# Altium PCB Terra.PcbDoc (part 5 of 7)
Units mm, origin at the board's own origin, x right, y up, seen from the top; angles counter-clockwise.
Board outline 126 x 65 mm, 6 copper layers (Top Layer, Int1 (Sign), Int2 (GND), Int3(PWR), Int4(Sign), Bottom Layer), stack 2.348 mm thick; 559 components, 490 nets, 2466 pads, 1027 vias.
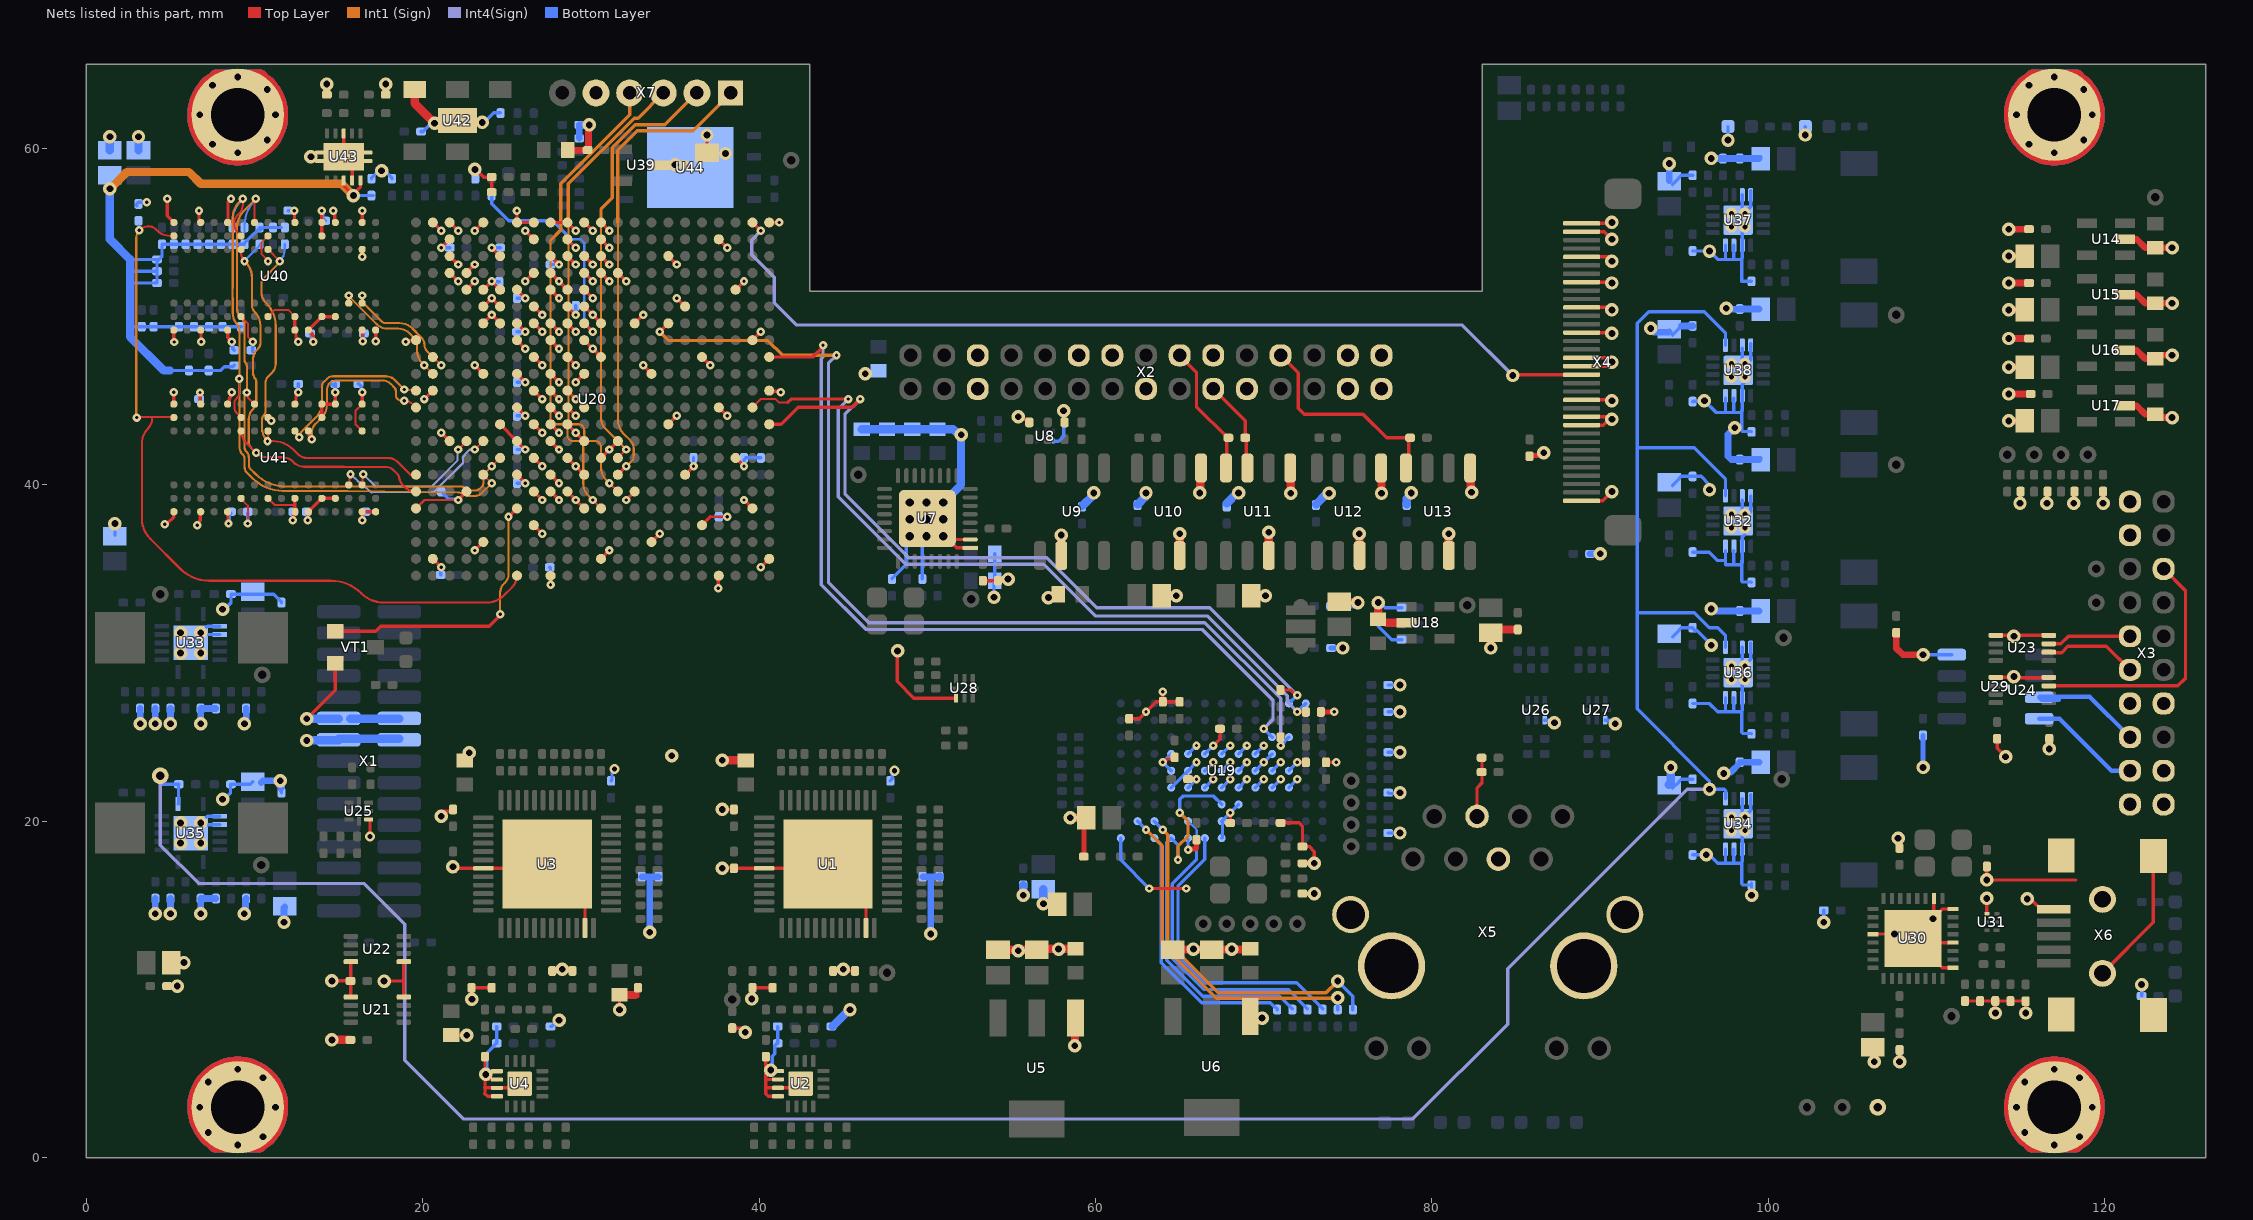
[diagram p9: the nets of this part, all layers, seen from the top]

## Via types
v1: diameter 0.5/0.5/0.5/0.5/0.5/0.5 (per signal layer), hole 0.2, Top Layer to Bottom Layer, tented both sides, 471 vias
v2: diameter 0.8, hole 0.4, Top Layer to Bottom Layer, tented both sides, 402 vias
v3: diameter 0.5/0.5/0.5/0.3/0.5/0.5 (per signal layer), hole 0.2, Top Layer to Bottom Layer, tented both sides, 87 vias
v4: diameter 0.9, hole 0.4, Top Layer to Bottom Layer, 32 vias
v5: diameter 0.6, hole 0.3, Top Layer to Bottom Layer, tented both sides, 26 vias
v6: diameter 0.6/0.6/0.6/0.6/0.6/0.6 (per signal layer), hole 0.3, Top Layer to Bottom Layer, tented both sides, 3 vias
v7: diameter 0.5/0.3/0.5/0.5/0.5/0.5 (per signal layer), hole 0.2, Top Layer to Bottom Layer, tented both sides, 3 vias
v8: diameter 0.8/0.8/0.8/0.5/0.8/0.8 (per signal layer), hole 0.4, Top Layer to Bottom Layer, tented both sides, 2 vias
v9: diameter 0.8/0.8/0.8/0.8/0.8/0.8 (per signal layer), hole 0.4, Top Layer to Bottom Layer, tented both sides, 1 vias

## Nets (pads, with @x,y where several pads share a name; then routed paths per layer and width w, separated by ;. In a path a pad name is that pad's centre, name@x,y a point inside that pad or via, vN(x,y) a via of type N, cw(c..) or ccw(c..) an arc to the next point about the centre after c; other vN are vias at no path point) (continued)
DDR3_DQS1_N: U20.J2 U40.B7 | length 7.9
  Top Layer w0.125: U40.B7@16.4,50.8 v1(16.4,51.257) ; U20.J2@20.6,47.6 v1(21.1,47.1)
  Int1 (Sign) w0.125: v1(16.4,51.257) ccw(c17.325,51.257) 16.671,50.604 ; 16.671,50.603 17.534,49.74 ccw(c17.847,50.053) 17.535,49.739 ccw(c17.847,50.053) 17.847,49.61 18.625,49.61 cw(c18.625,48.525) 19.392,49.292 19.899,48.785 ; 19.899,48.785 cw(c19.414,48.3) 20.1,48.3 ccw(c20.583,48.3) 20.241,47.959 v1(21.1,47.1)
DDR3_DQS1_P: U20.K2 U40.C7 | length 8.6
  Top Layer w0.125: U40.C7@15.6,50.8 v1(15.6,51.257) ; v1(20.1,47.1) U20.K2@20.6,46.6 v1(20.1,47.1)
  Int1 (Sign) w0.125: v1(15.6,51.257) 15.6,51.215 17.268,49.547 ccw(c17.9,50.179) 17.9,49.285 18.554,49.285 cw(c18.554,48.354) 19.212,49.013 ; 19.212,49.012 19.469,48.756 cw(c19.013,48.3) 19.657,48.3 19.657,48 ccw(c20.762,48) v1@19.981,47.219 ; v1@19.981,47.219 v1(20.1,47.1)
DDR3_DQS2_N: U20.L1 U41.G3 | length 10.2
  Top Layer w0.125: U41.G3@12.4,43.2 12.4,43.143 12.656,42.887 v1(12.656,42.827) ; v1(18.9,45.67) 18.935,45.635 19.565,45.635 U20.L1@19.6,45.6
  Int1 (Sign) w0.125: v1(12.656,42.827) cw(c13.115,42.827) 12.79,43.151 13.67,44.03 ccw(c12.872,44.828) 14,44.828 14,45.859 cw(c14.341,45.859) 14.1,46.1 14.314,46.314 cw(c14.655,45.972) 14.655,46.455 17.8,46.455 cw(c17.8,45.695) 17.945,46.441 cw(c17.8,45.695) 18.338,46.232 v1(18.9,45.67)
DDR3_DQS2_P: U20.M1 U41.F3 | length 10.4
  Top Layer w0.125: U41.F3@13.2,43.2 13.2,42.9 v1(13.4,42.7) ; v1(18.9,45) 18.934,44.966 19,44.966 cw(c19,44.4) U20.M1@19.4,44.8 ; U20.M1@19.4,44.8 U20.M1@19.6,44.6
  Int1 (Sign) w0.125: v1(13.4,42.7) 13.4,43.117 cw(c14.083,43.117) 13.6,43.6 14,44 ccw(c13.276,44.724) 14.3,44.724 14.3,45.604 cw(c14.996,45.604) 14.474,46.064 ; 14.4,46 cw(c14.883,45.517) 14.474,46.064 ; v1(18.9,45) 18.742,45 cw(c18.742,45.342) 18.5,45.1 cw(c18.741,45.341) 18.4,45.341 18.4,45.574 ccw(c18.096,45.574) 18.311,45.789 18.1,46 ccw(c17.617,45.517) 17.617,46.2 14.883,46.2 ccw(c14.883,45.517) 14.774,46.191 ccw(c14.883,45.517) 14.474,46.064
DDR3_DQS3_N: U20.P4 U41.B7 | length 8.6
  Top Layer w0.125: U41.B7@16.4,40.003 16.42,40.023 16.42,40.573 v1(16.47,40.622) ; v1(22.1,42.1) U20.P4@22.6,42.6
  Int4(Sign) w0.125: v1(16.47,40.622) 16.499,40.601 17.2,39.9 20.526,39.9 22.077,41.452 22.077,42.078 v1(22.1,42.1)
DDR3_DQS3_P: U20.P5 U41.C7 | length 10.4
  Top Layer w0.125: U41.C7@15.6,40.003 15.65,40.053 15.65,40.569 v1(15.703,40.622) ; v1(23.1,42.1) U20.P5@23.6,42.6
  Int4(Sign) w0.125: v1(15.703,40.622) 16.129,40.24 ccw(c16.47,40.622) 16.141,40.23 16.91,39.584 ccw(c16.99,39.681) 16.99,39.556 20.528,39.575 ccw(c20.526,39.9) 20.755,39.669 22.365,41.265 ccw(c22.277,41.354) 22.403,41.354 22.403,41.686 ccw(c22.1,42.1) 22.544,41.844 22.8,42.1 v1(23.1,42.1)
DDR3_ODT: R200.1 U20.R6 U40.K1 U41.K1 | length 37.4
  Top Layer w0.125: v1(24.1,41.1) U20.R6@24.6,41.6
  Top Layer w0.13: v1(9.545,45.487) 9.616,45.417 9.616,45.184 U41.K1@10,44.8 ; U40.K1@10,55.6 v1@10,57
  Int1 (Sign) w0.125: 9.665,41.5 ccw(c9.787,41.475) 9.662,41.475 9.662,41.2 ccw(c10.055,41.2) 9.687,41.065 ccw(c10.055,41.2) 9.777,40.923 10.056,40.644 ccw(c11.852,42.44) 11.835,39.9 15.537,39.9 cw(c15.537,39.643) 15.541,39.9 cw(c15.537,39.643) 15.543,39.9 15.7,39.9 22.259,39.9 cw(c22.259,39.559) 22.5,39.8 ccw(c22.844,40.144) 22.729,39.671 ccw(c22.844,40.144) 22.844,39.657 23,39.657 cw(c23.032,39.537) 23.047,39.661 ccw(c23.1,40.1) 23.1,39.657 ccw(c23.1,40.1) 23.412,39.787 23.513,39.887 ccw(c23.303,40.097) 23.6,40.097 23.6,40.4 cw(c24.083,40.4) 23.74,40.74 23.742,40.742 v1(24.1,41.1)
  Int1 (Sign) w0.13: v1@9.395,45.337 9.395,42.253 ccw(c9.753,42.253) 9.4,42.194 ccw(c9.753,42.253) 9.5,42 cw(c9.108,41.608) 9.653,41.708 cw(c9.108,41.608) 9.662,41.608 ccw(c9.792,41.608) 9.663,41.598 cw(c9.047,41.547) 9.665,41.547 9.665,41.5 ; 9.432,47.29 cw(c9.827,47.452) 9.4,47.452 9.4,49.559 ccw(c9.059,49.559) 9.301,49.799 9.214,49.886 cw(c9.829,50.5) 8.96,50.5 8.96,51.216 8.951,51.224 8.951,51.593 8.96,51.602 8.96,55.3 cw(c10.362,55.3) 9.238,56.138 cw(c10.362,55.3) 9.371,56.291 v1(10.079,57) ; 9.45,47.275 cw(c9.221,47.046) 9.545,47.046 v1(9.545,45.487)
  Bottom Layer w0.13: 9.4,55 R200.1@9.4,55.3 9.4,55.36 cw(c11.719,55.36) v1(10.079,57)
DDR3_RAS: R191.1 U20.T1 U40.J3 U41.J3 | length 23.8
  Top Layer w0.13: v1@10.769,42.733 10.8,42.764 U41.J3@10.8,43.2 ; v1(10.77,42.6) 11.093,42.6 cw(c11.093,40.893) 12.299,42.101 ; U40.J3@10.8,54 v1(11.5,53.3) ; 12.3,42.1 12.588,41.812 ccw(c13.1,42.324) 13.1,41.6 15.532,41.6 15.545,41.587 17.987,41.587 cw(c17.987,40.887) 18.482,41.383 19.24,40.625 ccw(c19.3,40.685) 19.3,40.6 U20.T1@19.6,40.6
  Int1 (Sign) w0.13: v1(10.77,42.6) 10.757,42.613 cw(c11.496,43.353) 10.45,43.353 10.45,43.919 cw(c10.706,43.919) 10.525,44.1 ccw(c10.211,44.414) 10.655,44.414 10.655,46.1 cw(c11.1,46.1) 10.785,46.415 11.04,46.67 ccw(c10.51,47.2) 11.26,47.2 11.26,49.436 ccw(c9.319,49.436) 10.691,50.809 cw(c11.383,51.5) 10.416,51.351 cw(c11.383,51.5) 10.405,51.5 10.405,51.9 cw(c10.971,51.9) 10.571,52.3 11.5,53.229 v1(11.5,53.3)
  Bottom Layer w0.13: v1(11.5,53.3) ccw(c10.776,54.024) 11.63,53.46 ccw(c10.776,54.024) 11.8,54.024 R191.1@11.8,54.3
DDR3_RESET: R175.2 U20.AB7 U40.T2 U41.T2 | length 47.4
  Top Layer w0.125: v1(3,44) 3.042,44.043 3.9,44.043 ; v1(3.145,55.129) 3.173,55.156 cw(c3.7,54.629) 3.449,55.331 cw(c3.7,54.629) 3.7,55.375 cw(c3.7,54.769) 4.128,55.197 4.213,55.113 ccw(c4.968,55.868) 4.968,54.8 U40.T2@5.2,54.8 ; 3.3,41.6 3.3,42.393 cw(c4.766,42.393) 3.729,43.429 ; 3.7,43.4 ccw(c3.217,43.883) 3.9,43.883 3.9,44.043 ; U41.T2@5.2,44 ccw(c5.097,43.897) 5.097,44.043 3.9,44.043
  Top Layer w0.13: 3.3,41.6 3.3,38.009 ccw(c5.007,38.007) 3.8,36.8 5.6,35 ; 5.601,34.999 ccw(c7.296,36.696) 7.296,34.297 14.55,34.297 cw(c14.55,31.757) 16.346,33.554 ccw(c17.683,34.89) 17.683,33 23.8,33 ccw(c23.8,34.449) 24.824,33.424 25.317,33.917 ; 25.317,33.917 ccw(c24.634,34.6) U20.AB7@25.6,34.6
  Int1 (Sign) w0.125: v1(3,44) 2.967,44.033 2.967,54.7 cw(c3.574,54.7) 3.1,55.078 cw(c3.574,54.7) v1(3.145,55.129)
  Bottom Layer w0.13: 3.1,55.4 3.1,55.174 v1(3.145,55.129)
DDR3_S0: R190.1 U20.T5 U40.L2 U41.L2 | length 39.6
  Top Layer w0.12: 8.976,56.026 ccw(c9.404,55.6) 8.828,55.782 cw(c8.714,55.818) 8.825,55.774 ccw(c9.158,55.642) 8.8,55.642 8.8,55.6 8.8,55.5 ccw(c9.524,55.5) 9.006,54.994 ccw(c9.524,55.5) 9.012,54.988 U40.L2@9.2,54.8 ; 8.977,56.027 9.075,56.125 ccw(c8.532,56.668) 9.3,56.668 v1(9.3,57) ; 8.987,45.211 ccw(c9.439,44.76) 8.962,45.185 ; v1(9.1,46.314) 9.1,45.6 cw(c8.617,45.6) 9.096,45.536 ccw(c9.215,45.52) 9.095,45.516 cw(c8.655,45.5) 8.962,45.185 ; U41.L2@9.2,44 8.941,44.259 cw(c9.283,44.6) 8.8,44.6 8.8,44.76 8.8,44.842 cw(c9.158,44.842) 8.872,45.058 ccw(c8.776,45.13) 8.881,45.071 cw(c9.439,44.76) 8.962,45.185
  Top Layer w0.125: U20.T5@23.6,40.6 v1(24.1,40.1)
  Int1 (Sign) w0.13: v1(9.3,57) 9.054,56.754 ccw(c9.907,55.9) 8.7,55.9 8.7,51.71 8.691,51.701 8.691,51.117 8.7,51.108 8.7,50.224 ccw(c9.724,50.224) 9,49.5 cw(c8.759,49.259) 9.1,49.259 v1(9.1,46.314) 9.1,42.283 ccw(c9.783,42.283) 9.3,41.8 cw(c9.047,41.547) 9.405,41.547 9.405,41.1 ccw(c10.141,41.1) 9.414,40.987 ccw(c10.141,41.1) 9.459,40.824 ccw(c9.579,40.872) 9.488,40.78 9.881,40.387 ccw(c11.677,42.183) 11.677,39.643 15.537,39.643 22.105,39.545 cw(c22.1,39.1) 22.256,39.517 ; 22.258,39.516 22.702,39.351 ccw(c22.747,39.473) 22.747,39.342 23.1,39.342 ccw(c23.1,39.928) 23.513,39.513 23.515,39.515 v1(24.1,40.1)
  Bottom Layer w0.13: R190.1@8.7,55.3 8.7,55.7 cw(c10.39,55.7) 9.194,56.894 v1(9.3,57)
DDR3_WE: R197.1 U20.U1 U40.L3 U41.L3 | length 26.9
  Top Layer w0.13: U41.L3@9.2,43.2 ccw(c10.166,43.2) 9.483,42.517 v1(10.1,41.9) ccw(c10.716,42.516) 10.393,41.707 ccw(c10.716,42.516) 10.716,41.645 11.648,41.645 cw(c11.648,40.748) 12.282,41.382 12.332,41.332 ; U40.L3@9.2,54 9.2,53.795 ccw(c9.9,53.795) v1(9.405,53.3) ; 12.333,41.332 ccw(c12.941,41.941) 12.941,41.08 15.317,41.08 15.329,41.067 17.803,41.067 cw(c17.803,40.442) 18.245,40.884 18.509,40.621 ; 18.606,40.394 ccw(c19.283,40.483) 18.8,40 18.917,39.883 ccw(c19.6,40.566) U20.U1@19.6,39.6 19.51,39.69 19.31,39.69 ; 18.509,40.621 cw(c18.288,40.4) 18.6,40.4 ccw(c18.288,40.4) 18.509,40.621
  Int1 (Sign) w0.13: v1(9.405,53.3) 9.458,53.247 cw(c8.51,52.3) 9.85,52.3 9.85,50.662 ccw(c10.362,50.662) 10,50.3 cw(c9.167,49.467) 10.345,49.467 10.345,48.4 cw(c9.971,48.4) 10.235,48.135 ; 10.027,46.319 cw(c9.849,46.142) 10.064,46.271 ; v1(10.1,41.9) 9.835,42.165 cw(c10.271,42.6) 9.699,42.372 cw(c10.271,42.6) 9.655,42.6 9.655,43.909 cw(c10.491,43.909) 9.9,44.5 ccw(c9.417,44.983) 10.094,44.894 ccw(c9.417,44.983) 10.1,44.983 10.1,46.142 ccw(c9.849,46.142) 10.064,46.271 ; 10.2,48.1 ccw(c10.924,47.376) 9.9,47.376 9.9,46.715 ccw(c10.583,46.715) 10.064,46.271
  Bottom Layer w0.13: v1(9.405,53.3) 9.405,53.328 10.3,54.223 R197.1@10.3,54.3
DDR3_ZQ1: R164.2 U40.L8 | length 2.4
  Top Layer w0.12: U40.L8@9.2,50 9.6,49.6 9.6,48.8 v1(9.9,48.5)
  Bottom Layer w0.2: R164.2@9.9,47.9 v1(9.9,48.5)
DDR3_ZQ2: R165.2 U41.L8 | length 2.2
  Top Layer w0.12: U41.L8@9.189,39.172 9.6,38.761 v1(9.6,37.7)
  Bottom Layer w0.2: v1(9.6,37.7) R165.2@9.6,38.3
DDRVTT: C165.1 C166.1 R166.2 R167.2 R168.2 R169.2 R170.2 R171.2 R172.2 R173.2 R177.2 R178.2 R179.2 R180.2 R181.2 R182.2 R183.2 R184.2 R185.2 R188.2 R190.2 R191.2 R194.2 R197.2 R200.2 R201.2 U43.3 U43.5 | length 56.1
  Top Layer w0.2: U43.3@15.3,58.1 15.32,58.08 15.32,57.748 v2@15.834,57.234 ; v2(15.88,57.2) 15.868,57.2 v2@15.834,57.234 ; U43.5@16.3,58.1 16.295,58.095 16.295,57.695 v2@15.834,57.234
  Int1 (Sign) w0.2: v2@15.868,57.2 v2(15.88,57.2)
  Int1 (Sign) w0.5: v2(1.4,57.6) 2.4,58.6 6.1,58.6 6.8,57.9 15.168,57.9 v2@15.868,57.2
  Bottom Layer w0.2: 2.6,49.4 R172.2@3.3,49.4 R177.2@4,49.4 R183.2@5.5,49.4 R180.2@6.4,49.4 R167.2@7.3,49.4 R181.2@8.1,49.4 R179.2@9.2,49.4 ; 2.8,52 R188.2@4.2,52 R166.2@4.2,52.7 ; 2.8,52.7 R166.2@4.2,52.7 ; 2.8,53.4 R168.2@4.2,53.4 R168.2@4.2,53.3 ; R182.2@4.5,54.178 4.5,53.6 R168.2@4.2,53.3 ; R182.2@4.5,54.3 R178.2@5.2,54.3 R173.2@5.9,54.3 R171.2@6.6,54.3 R169.2@7.3,54.3 R184.2@8,54.3 R190.2@8.7,54.3 R200.2@9.4,54.3 9.4,54.361 9.54,54.501 10.3,55.261 R197.2@10.3,55.3 ; 4.975,46.8 8,46.8 8.21,47.01 8.71,47.01 R201.2@8.8,47.1 ; R197.2@10.325,55.125 10.5,55.3 R194.2@11.1,55.3 R191.2@11.579,55.3 ; v2(15.88,57.2) C166.1@17.051,57.2 ; R166.2@4.2,52.7 R168.2@4.2,53.3
  Bottom Layer w0.5: v2(1.4,57.6) 1.4,54.6 2.6,53.4 2.6,49.4 2.6,48.8 4.6,46.8 4.975,46.8
DONE: R202.1 U20.G11 | length 13.2
  Top Layer w0.2: U20.G11@29.6,49.6 v3(30.1,49.1)
  Bottom Layer w0.125: 28.822,54.6 29.4,54.6 29.6,54.4 29.6,49.6 v3(30.1,49.1)
  Bottom Layer w0.2: R202.1@24.1,57.2 24.1,56.7 25.1,55.7 27.722,55.7 28.822,54.6 28.838,54.584
EN_PWR3: R142.1 TP30.1 U32.13 U34.13 U35.14 U36.13 U38.13 | length 171.4
  Int4(Sign) w0.2: TP30.1@4.4,22.7 4.4,18.575 6.675,16.3 16.5,16.3 18.92,13.88 18.92,5.78 22.4,2.3 78.867,2.3 84.5,7.933 84.5,11.233 95.167,21.9 v2(96.5,21.9)
  Bottom Layer w0.2: 4.393,22.2 R142.1@5.5,22.2 5.475,22.175 5.475,21.05 U35.14@5.45,21.025 ; U34.13@97.45,21.339 97.475,21.364 97.475,21.8 97.375,21.9 v2(96.5,21.9) 96.5,22.384 92.2,26.684 92.2,32.5 ; U36.13@97.45,30.339 97.45,31.05 97,31.5 96.5,31.5 95.6,32.4 92.3,32.4 92.2,32.5 ; U32.13@97.45,39.35 97.45,40.35 95.6,42.2 92.2,42.2 ; U38.13@97.45,48.289 97.45,49.05 96.2,50.3 92.9,50.3 92.2,49.6 92.2,42.2 ; 92.2,32.5 92.2,41.3 92.2,42.2
ENET_INTn: R96.2 U19.L1 U20.N22 | length 45.7
  Top Layer w0.2: U20.N22@40.6,43.6 41.3,43.6 42.32,44.62 45.52,44.62 v1(46,45.1) ; R96.2@71,27.8 71.619,27.8 71.919,27.5 v1(72,27.5)
  Int4(Sign) w0.2: v1(46,45.1) 45.1,44.2 45.1,39.466 48.891,35.675 57.091,35.675 60.066,32.7 66.8,32.7 v1(72,27.5)
  Bottom Layer w0.2: U19.L1@71.5,27 v1(72,27.5)
ENET_LED1: R84.1 U19.E8 | length 18.3
  Bottom Layer w0.125: U19.E8@65.5,20 66.015,19.485 66.015,18.6 ; R84.1@72.6,8.8 R84.1@72.6,8.85
  Bottom Layer w0.2: 66.015,18.6 66,18.585 66,17.7 64.57,16.27 64.57,11.863 66.433,10 71.45,10 R84.1@72.6,8.85
ENET_LED2: R83.1 U19.C9 | length 15.6
  Bottom Layer w0.2: U19.C9@63.5,19 63.91,18.59 63.91,11.59 66.3,9.2 70.4,9.2 70.622,8.978 70.662,8.978 70.8,8.839 R83.1@70.8,8.8
ENET_LED3: R82.1 U19.D9 U19.G7 | length 24.5
  Int1 (Sign) w0.2: v1@64.8,17.776 64.876,17.7 v1(64.9,17.7) 64.9,18.5 65.5,19.1 65.5,20 v1(65,20.5)
  Bottom Layer w0.125: R82.1@71.7,8.8 R82.1@71.7,8.85
  Bottom Layer w0.2: v1(64.9,17.7) 64.9,18.6 U19.D9@64.5,19 64.24,18.74 64.24,11.727 66.367,9.6 70.95,9.6 R82.1@71.7,8.85 ; v1(65,20.5) 65,21.3 65.2,21.5 67,21.5 U19.G7@67.5,21
ENET_LED4: R81.1 U19.C8 | length 21.2
  Int1 (Sign) w0.2: v1(64,19.5) 64.3,19.2 64.3,12.8 67.3,9.8 73.7,9.8 v2(74.4,10.5)
  Bottom Layer w0.2: U19.C8@63.5,20 v1(64,19.5) ; v2(74.4,10.5) 74.4,10.49 75.3,9.59 R81.1@75.3,8.8
ENET_LED5: R80.1 U19.B8 | length 20.4
  Int1 (Sign) w0.2: v1(63,19.5) 63.97,18.53 63.97,12.663 67.163,9.47 74.37,9.47 v2(74.4,9.5)
  Bottom Layer w0.2: U19.B8@62.5,20 v1(63,19.5) ; R80.1@74.4,8.8 v2(74.4,9.5)
ENET_LED6: R79.1 U19.A9 U19.F9 | length 24
  Top Layer w0.2: v1(63.2,16) v1(65.4,16)
  Bottom Layer w0.125: R79.1@73.5,8.8 R79.1@73.5,8.85
  Bottom Layer w0.2: U19.A9@61.5,19 61.5,17.7 v1(63.2,16) ; v1(65.4,16) 64.9,16 ; U19.F9@66.5,19 66.5,17.733 64.9,16.133 64.9,16 ; R79.1@73.5,8.85 71.95,10.4 66.5,10.4 64.9,12 64.9,16
ENET_MDC: R95.2 U19.L3 U20.G16 | length 59.7
  Top Layer w0.2: v3(34.1,49.1) U20.G16@34.6,49.6 ; v1(71,24.5) R95.2@71,25 v1(71,24.5)
  Int1 (Sign) w0.2: v3(34.1,49.1) 34.62,48.58 40.52,48.58 41.4,47.7 v1@44.6,47.7
  Int4(Sign) w0.2: v1(44.6,47.7) 44.12,47.22 44.12,34.201 46.521,31.8 58.15,31.8 66.5,31.8 71,27.3 v1(71,24.5)
  Bottom Layer w0.2: v1(71,24.5) U19.L3@71.5,25
ENET_MDIO: R94.2 U19.M1 U20.M21 | length 46.1
  Top Layer w0.125: U20.M21@39.6,44.6 40.1,45.1 40.9,45.1 40.908,45.092 40.983,45.092 41.175,44.9 41.7,44.9
  Top Layer w0.2: 41.7,44.9 41.9,45.1 v1(45.3,45.1) ; v1(72,26.5) R94.2@72.5,26.5
  Int4(Sign) w0.2: v1(45.3,45.1) 44.7,44.5 44.7,39.3 48.725,35.275 56.925,35.275 60,32.2 66.666,32.2 71.4,27.466 71.4,27.1 v1(72,26.5)
  Bottom Layer w0.2: v1(72,26.5) U19.M1@72.5,27
ENET_RESETn: U19.K3 U20.J22 | length 50.1
  Top Layer w0.2: U20.J22@40.6,47.6 43.178,47.6 43.8,48.222 v1(43.8,48.3)
  Int4(Sign) w0.2: v1(43.8,48.3) 43.8,47.609 43.7,47.509 43.7,34.055 46.356,31.4 58.316,31.4 66.334,31.4 70.55,27.184 70.55,26.05 v1(70,25.5)
  Bottom Layer w0.2: v1(70,25.5) U19.K3@70.5,25
FPGA_TCK: U20.V12 X7.4 | length 28.4
  Top Layer w0.125: v1(30.1,39.1) U20.V12@30.6,38.6
  Int1 (Sign) w0.125: 27.6,54.55 27.6,43.924 ccw(c27.899,43.924) 27.687,43.713 ; 27.688,43.712 ccw(c27.959,43.984) 27.959,43.6 28.259,43.6 cw(c28.259,43.259) 28.5,43.5 cw(c28.259,43.259) 28.6,43.259 28.6,42.941 ccw(c28.941,42.941) 28.7,42.7 ccw(c28.941,42.941) 28.941,42.6 29.213,42.6 cw(c29.213,42.288) 29.434,42.509 29.436,42.506 cw(c29.18,42.25) 29.542,42.25 29.542,40.11 ccw(c30.635,40.11) 29.862,39.338 ; 29.862,39.338 v1(30.1,39.1)
  Int1 (Sign) w0.2: 27.6,54.55 28.2,55.15 28.2,57.9 32.3,62 X7.4@32.3,63.3
FPGA_TDI: U20.R13 X7.2 | length 25.9
  Top Layer w0.125: U20.R13@31.6,41.6 v3(32.1,42.1)
  Int1 (Sign) w0.125: 30.6,55.575 30.6,43.954 ccw(c31.454,43.954) 30.849,43.351 v3(32.1,42.1)
  Int1 (Sign) w0.2: 30.6,55.575 30.6,56.4 31.27,57.07 31.27,60.037 32.633,61.4 34.4,61.4 X7.2@36.3,63.3
FPGA_TDO: U20.U13 X7.3 | length 27.9
  Top Layer w0.125: v1(31.1,40.1) U20.U13@31.6,39.6
  Int1 (Sign) w0.125: 28.658,55.6 28.658,43.918 ccw(c28.943,43.918) 28.741,43.717 ; 28.741,43.716 ccw(c29.022,43.997) 29.022,43.6 29.276,43.6 cw(c29.276,43.301) 29.487,43.513 ; 29.488,43.512 cw(c29.216,43.241) 29.6,43.241 29.6,42.959 ccw(c29.984,42.959) 29.712,42.688 ; 29.713,42.687 ccw(c29.924,42.899) 29.924,42.6 30.259,42.6 cw(c30.259,42.259) 30.5,42.5 ; 30.5,42.5 cw(c30.259,42.259) 30.6,42.259 30.6,41.007 ccw(c31.582,41.007) 30.887,40.313 ; 30.887,40.313 v1(31.1,40.1)
  Int1 (Sign) w0.2: 28.658,55.6 28.658,57.891 32.567,61.8 32.8,61.8 X7.3@34.3,63.3
FPGA_TMS: U20.T13 X7.1 | length 28.1
  Top Layer w0.2: U20.T13@31.6,40.6 v3(32.1,41.1)
  Int1 (Sign) w0.125: 31.6,55.575 31.6,43.85 ccw(c32.747,43.85) 31.936,43.039 32.365,42.61 cw(c31.929,42.175) 32.545,42.175 32.545,41.725 cw(c32.11,41.725) 32.418,41.418 ; v3(32.1,41.1) 32.418,41.418
  Int1 (Sign) w0.2: 31.6,55.575 31.6,59.9 32.75,61.05 36.075,61.05 37.649,62.624 37.649,62.649 X7.1@38.3,63.3
FSTROBE: U20.A21 X4.19 | length 55.3
  Top Layer w0.2: U20.A21@39.6,55.6 v1(40.1,55.1) ; v2(84.8,46.5) 84.85,46.55 X4.19@88.6,46.55
  Int4(Sign) w0.2: v1(40.1,55.1) 39.55,54.55 39.55,53.684 40.9,52.334 40.9,50.831 42.231,49.5 81.8,49.5 v2(84.8,46.5)
GND: C1.2 C2.2 C3.2 C4.2 C10.2 C11.2 C12.2 C13.2 C14.2 C15.2 C16.2 C17.2 C18.2 C19.2 C25.2 C26.2 C27.2 C28.2 C29.2 C30.2 C31.2 C32.2 C33.2 C34.2 C35.2 C36.2 C37.2 C38.2 C39.2 C40.2 C41.2 C42.1 C43.1 C44.1 C45.1 C46.1 C47.1 C48.2 C49.2 C50.2 C52.2 C53.2 C54.2 C55.2 C56.2 C57.2 C58.2 C59.2 C60.2 C61.2 C62.2 C63.2 C64.2 C65.2 C66.2 C67.2 C68.2 C69.2 C70.2 C71.2 C72.2 C73.2 C74.2 C75.2 C76.2 C77.2 C78.2 C79.2 C80.2 C81.2 C88.2 C89.2 C90.2 C91.2 C92.2 C93.2 C94.2 C95.2 C96.2 C97.2 C98.2 C99.2 C100.2 C101.2 C102.2 C103.2 C104.2 C105.2 C106.2 C107.2 C108.2 C109.2 C110.2 C111.2 C113.2 C114.2 C115.2 C116.2 C117.2 C118.2 C119.1 C120.1 C121.1 C122.2 C123.2 C125.2 C126.2 C127.2 C128.2 C129.2 C130.2 C131.2 C132.1 C133.1 C134.1 C135.2 C136.2 C137.2 C138.2 C139.2 C140.2 C141.2 C142.2 C143.2 C144.2 C145.2 C146.2 C147.2 C148.2 C149.2 C150.2 C151.2 C152.2 C153.2 C154.2 C155.2 C158.2 C159.1 C160.2 C161.1 C162.2 C163.2 C164.2 C165.2 C166.2 C167.1 C168.1 C169.2 C170.2 C171.2 C172.2 C173.2 C174.2 C175.2 C176.2 C177.2 C178.2 C179.2 C180.2 C181.2 C182.2 C183.2 C184.2 C185.2 C190.2 C191.2 C192.2 C193.2 C198.2 C199.2 C200.2 C201.2 C202.2 C203.2 C204.2 C205.2 C206.2 C207.2 C208.2 C209.2 C210.2 C211.2 C212.2 C213.2 C214.2 C215.2 C216.2 C217.2 C218.2 C219.2 C220.2 C221.2 C222.2 C223.2 C224.2 C225.2 C226.2 C227.2 C228.2 C229.2 C230.2 DRL1.1 DRL2.1 DRL3.1 DRL4.1 HL8.2 HL9.2 R19.2 R20.2 R27.2 R49.2 R50.2 R57.2 R65.2 R68.2 R78.2 R97.2 R98.1 R123.2 R124.2 R129.1 R134.2 R135.1 R136.1 R141.1 R145.1 R146.1 R150.1 R156.1 R157.1 R162.1 R164.1 R165.1 R175.1 R195.1 R198.2 R199.2 TP24.1 U1.0 U1.31 U1.47 U2.0 U2.13 U2.14 U2.15 U2.16 U3.0 U3.31 U3.47 U4.0 U4.13 U4.14 U4.15 U4.16 U5.1 U6.1 U7.0 U7.1 U7.2 U8.4 U9.2 U10.3 U10.5 U11.3 U11.5 U12.3 U12.5 U13.3 U13.5 U14.2 U15.2 U16.2 U17.2 U18.2 U19.D4 U19.D5 U19.D6 U19.E4 U19.E5 U19.E6 U19.E9 U19.F4 U19.F5 U19.F6 U19.G4 U19.G5 U19.G6 U19.G8 U19.G9 U19.H4 U19.H5 U19.H6 U19.H7 U19.J4 U19.J5 U19.J6 U19.K4 U19.K5 U19.K6 U19.L5 U19.L6 U20.A2 U20.A3 U20.A5 U20.A7 U20.A8 U20.A9 U20.A10 U20.A11 U20.A12 U20.A22 U20.AA2 U20.AA12 U20.AA22 U20.AB9 U20.AB19 U20.B3 U20.B8 U20.B10 U20.B12 U20.B19 U20.C3 U20.C6 U20.C9 U20.C10 U20.C11 U20.C12 U20.C16 U20.D3 U20.D4 U20.D8 U20.D9 U20.D11 U20.D12 U20.D13 U20.E4 U20.E5 U20.E6 U20.E7 U20.E9 U20.E10 U20.E11 U20.E20 U20.F5 U20.F6 U20.F8 U20.F10 U20.F11 U20.F17 U20.G5 U20.G6 U20.G7 U20.G8 U20.G9 U20.G10 U20.G12 U20.G14 U20.H1 U20.H7 U20.H9 U20.H11 U20.H21 U20.J8 U20.J10 U20.J12 U20.J18 U20.K5 U20.K7 U20.K9 U20.K11 U20.K15 U20.L2 U20.L8 U20.L9 U20.L10 U20.L22 U20.M7 U20.M9 U20.M10 U20.M11 U20.M19 U20.N6 U20.N8 U20.N9 U20.N10 U20.N16 U20.P3 U20.P7 U20.P9 U20.P11 U20.P13 U20.R8 U20.R10 U20.R12 U20.R20 U20.T7 U20.T9 U20.T11 U20.T17 U20.U4 U20.U8 U20.U9 U20.U10 U20.U14 U20.V1 U20.V11 U20.V21 U20.W8 U20.W18 U20.Y5 U20.Y15 U21.4 U21.5 U22.4 U22.5 U23.4 U23.5 U24.4 U24.5 U25.1 U26.1 U27.1 U28.1 U29.4 U30.4 U30.17 U30.20 U30.24 U30.26 U30.33 U31.4 U32.0 U32.6 U32.7 U32.8 U32.15 U32.16 U33.0 U33.2 U33.3 U34.0 U34.6 U34.7 U34.8 U34.15 U34.16 U35.0 U35.2 U35.3 U36.0 U36.6 U36.7 U36.8 U36.15 U36.16 U37.0 U37.6 U37.7 U37.8 U37.15 U37.16 U38.0 U38.6 U38.7 U38.8 U38.15 U38.16 U39.2 U40.A9 U40.B1 U40.B3 U40.B9 U40.D1 U40.D8 U40.E1 U40.E2 U40.E8 U40.F9 U40.G1 U40.G8 U40.G9 U40.J2 U40.J8 U40.M1 U40.M9 U40.P1 U40.P9 U40.T1 U40.T9 U41.A9 U41.B1 U41.B3 U41.B9 U41.D1 U41.D8 U41.E1 U41.E2 U41.E8 U41.F9 U41.G1 U41.G8 U41.G9 U41.J2 U41.J8 U41.M1 U41.M9 U41.P1 U41.P9 U41.T1 U41.T9 U42.3 U42.7 U43.0 U43.4 U43.8 U44.9 VT1.2 X1.17 X1.18 X1.19 X1.20 X2.5 X2.6 X2.12 X2.14 X2.15 X2.20 X2.21 X2.27 X2.28 X2.29 X2.30 X3.2 X3.4 X3.13 X3.14 X3.17 X3.19 X3.20 X4.1 X4.2 X4.5 X4.8 X4.11 X4.14 X4.17 X4.18 X4.22 X4.24 X4.25 X4.34 X5.0 X5.4 X5.5 X6.0 X6.5 X7.5 | length 601.3